# Altium PCB ArcadeTestHAT 05.PcbDoc (part 2 of 2) (continued)
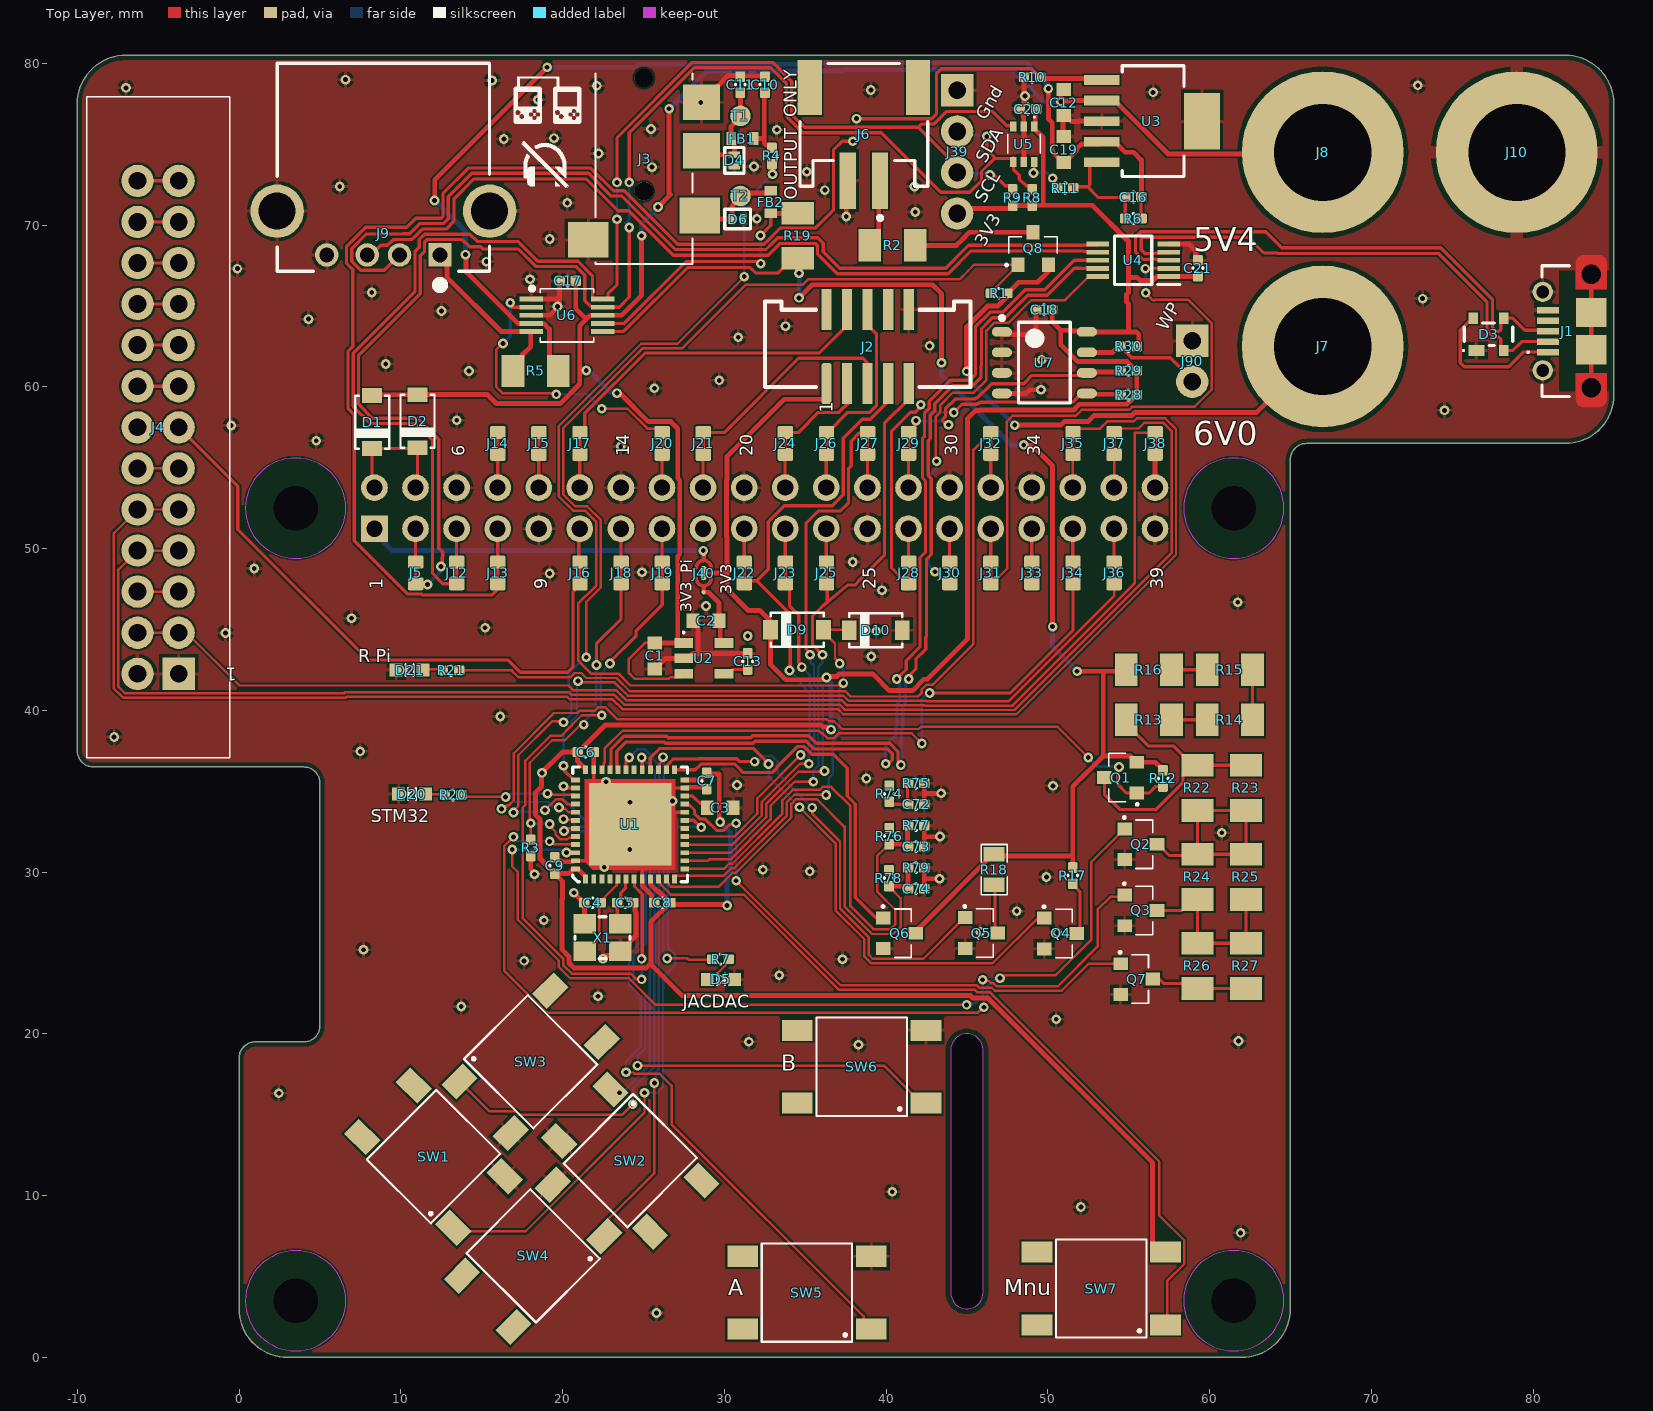
[diagram p0: Top Layer view]
## Nets (pads, with @x,y where several pads share a name; then routed paths per layer and width w, separated by ;. In a path a pad name is that pad's centre, name@x,y a point inside that pad or via, vN(x,y) a via of type N, cw(c..) or ccw(c..) an arc to the next point about the centre after c; other vN are vias at no path point) (continued)
  Top Layer w0.3: R76.2@40.228,31.721 41.188,31.721 41.275,31.634 C73.2@41.275,31.572 ; C73.2@41.326,31.598 41.326,32.849 R77.1@41.363,32.886
LPF_OUT3: C72.2 R74.2 R75.1 | length 2.5
  Top Layer w0.2: R74.2@40.335,34.366 40.335,34.258 40.403,34.19 C72.2@41.363,34.19 41.326,34.228 R75.1@41.326,35.535
MCU_BOOT0: J18.2 R3.1 U1.44 | length 22.2
  Top Layer w0.15: R3.1@18.034,32.004 v1(18.034,33.02) 17.973,33.081 17.973,36.761 19.366,38.154 20.145,38.154 21.311,39.319 v1(21.311,39.116) ; v1(19.202,32.969) 19.202,32.861 19.566,32.497 19.566,32.32 19.849,32.037 20.299,32.037 20.387,32.125 20.703,32.125 U1.44@20.828,32.25
  Top Layer w0.2: v1(22.098,42.799) 22.098,44.123 23.622,45.647 J18.2@23.622,47.498
  Bottom Layer w0.15: v1(18.034,33.02) 18.059,32.995 19.177,32.995 v1(19.202,32.969) ; v1(21.311,39.116) 21.311,39.29 21.361,39.341 22.098,40.077 v1(22.098,42.799)
MCU_LED: R20.1 U1.39 | length 7.4
  Top Layer w0.15: R20.1@13.64,34.773 13.741,34.671 16.459,34.671 v1(16.485,34.646) ; v1(19.075,34.849) 19.15,34.774 20.731,34.774 U1.39@20.805,34.7
  Bottom Layer w0.15: v1(16.485,34.646) 16.606,34.646 16.81,34.849 v1(19.075,34.849)
MCU_RESET: J19.2 U1.7 | length 40.9
  Top Layer w0.15: v1(22.428,39.7) 21.188,39.7 20.566,39.079 20.566,39.061 19.934,38.429 19.252,38.429 17.698,36.875 17.698,34.144 17.534,33.98 17.534,27.153 20.053,24.634 20.053,24.236 20.575,23.713 24.225,23.713 24.57,23.368 v1(24.892,23.368)
  Top Layer w0.2: v1(22.936,42.901) 22.936,43.002 24.549,44.615 24.549,44.923 26.162,46.536 J19.2@26.162,47.498 ; U1.7@24.43,29.575 24.449,29.556 24.449,29.111 24.934,28.626 24.934,24.68 v1(24.892,24.638)
  Bottom Layer w0.15: v1(22.428,39.7) 22.373,39.755 22.373,39.866 22.543,39.866 22.373,40.035 22.373,42.24 22.598,42.465 22.598,42.542 22.936,42.88 v1(22.936,42.901) ; v1(24.892,23.368) v1(24.892,24.638)
MCU_SWCLK: J36.2 U1.37 | length 43.6
  Top Layer w0.15: v1(20.955,41.808) 21.038,41.725 23.222,41.725 24.041,40.906 37.37,40.906 37.695,40.581 42.481,40.581 42.49,40.572 47.6,40.572 54.102,47.074 J36.2@54.102,47.498
  Top Layer w0.2: v1(20.066,36.576) 20.143,36.499 20.143,36.238 20.68,35.7 U1.37@20.805,35.7
  Bottom Layer w0.15: v1(20.066,36.576) 20.066,38.561 20.566,39.061 20.566,39.333 20.896,39.663 20.896,41.75 v1(20.955,41.808)
MCU_SWDIO: J34.2 U1.34 | length 38.5
  Top Layer w0.15: U1.34@22.43,36.325 22.43,36.45 22.555,36.575 22.555,36.745 22.606,36.796 22.606,37.635 23.711,38.741 27.41,38.741 27.424,38.726 31.63,38.726 31.644,38.741 35.85,38.741 36.017,38.573 36.082,38.573 36.369,38.286 36.783,38.286 37.07,38.573 41.589,38.573 v1(42.215,37.948)
  Top Layer w0.2: v1(42.697,41.072) 47.676,41.072 51.562,44.958 J34.2@51.562,47.498
  Bottom Layer w0.15: v1(42.215,37.948) 42.215,40.589 42.164,40.64 42.596,41.072 v1(42.697,41.072)
MCU_USB_N: U1.32 U4.8 | length 58.8
  Top Layer w0.2: U1.32@23.43,36.325 23.38,36.375 23.38,36.725 23.355,36.75 23.355,37.465 23.939,38.049 26.262,38.049 26.352,37.959 31.782,37.959 31.909,38.086 35.074,38.086 35.543,37.617 40.081,37.617 40.386,37.313 40.386,36.932 40.293,36.838 ; v1@40.792,42.068 41.25,42.525 41.25,43.078 42.1,43.929 42.1,49.44 42.44,49.78 42.44,54.186 42.254,54.371 42.254,56.821 42.384,56.951 42.384,58.387 42.669,58.672 42.669,59.108 43.975,60.413 45.179,60.413 45.527,60.761 45.527,63.715 46.436,64.624 47.227,64.624 48.614,66.011 49.823,66.011 51.635,67.823 U4.8@53.081,67.823
  Bottom Layer w0.2: v1(39.98,36.703) 39.98,37.862 40.437,38.319 40.458,38.299 40.595,38.436 40.595,38.956 40.662,39.023 40.683,39.044 40.683,40.401 40.846,40.565 40.846,41.647 40.64,41.853 v1@40.64,41.91
  other v1: 40.665,41.935
MCU_USB_P: U1.33 U4.9 | length 59.8
  Top Layer w0.2: U1.33@22.93,36.325 22.98,36.375 22.98,36.725 23.005,36.75 23.005,37.61 23.794,38.399 26.448,38.399 26.537,38.309 31.637,38.309 31.764,38.436 35.219,38.436 35.688,37.967 40.226,37.967 40.736,37.458 40.736,36.893 ; v1@41.3,42.012 41.37,42.012 41.537,42.179 41.537,42.249 41.853,42.564 41.853,43.187 42.45,43.784 42.45,44.52 42.503,44.572 42.503,49.347 42.79,49.635 42.79,54.331 42.604,54.516 42.604,56.676 42.734,56.806 42.734,58.242 43.019,58.527 43.019,58.963 44.119,60.063 45.349,60.063 45.877,60.591 45.877,61.287 45.903,61.313 45.903,63.089 45.903,63.595 46.581,64.274 47.372,64.274 48.759,65.661 49.968,65.661 51.646,67.339 52.065,67.339 52.081,67.323 U4.9@53.081,67.323 53.031,67.373 52.374,67.373
  Bottom Layer w0.2: v1(40.919,36.627) 40.919,38.208 40.945,38.234 40.945,38.811 41.012,38.878 41.033,38.857 41.033,40.256 41.196,40.42 v1@41.196,41.935
  other v1: 41.402,41.935
NetC2_2: C2.2 J40.1 U2.5 | length 4.7
  Top Layer w0.15: U2.5@29.984,44.165 29.984,44.314 30.028,44.3 30.444,44.165 U2.5@29.984,44.165
  Top Layer w0.3: J40.1@28.75,47.3 29.025,47.3 29.675,46.65 C2.2@29.675,45.975 ; U2.5@29.75,44.175 C2.2@29.75,45.925
NetC3_2: C3.2 U1.22 | length 1.6
  Top Layer w0.2: U1.22@27.555,34.7 28.05,34.7 28.5,34.25 C3.2@29,34.25
NetC4_2: C4.2 U1.5 X1.1 | length 4.5
  Top Layer w0.15: X1.1@21.883,25.5 22.278,25.895 22.278,28.033 C4.2@22.352,28.107 ; C4.2@22.527,28.332 22.602,28.332 22.602,28.444 23.355,29.197 23.355,29.5 U1.5@23.43,29.575
NetC5_2: C5.2 U1.6 X1.3 | length 3.2
  Top Layer w0.2: C5.2@23.279,28.25 C5.2@23.335,28.307 ; X1.3@23.496,26.75 23.384,26.862 C5.2@23.384,28.107 23.397,28.107 23.597,28.307 23.597,28.707 23.891,29 23.891,29.537 U1.6@23.93,29.575
NetC10_2: C10.2 FB1.1 R4.2 | length 4.8
  Top Layer w0.3: FB1.1@31.825,75.35 32.475,75.35 ; C10.2@32.5,78.275 32.475,78.25 32.475,75.35 ; C10.2@32.512,78.182 C10.2@32.512,78.232 ; R4.2@32.8,74.889 32.9,74.789 R4.2@32.9,74.7 ; R4.2@32.95,74.775 32.95,74.8 32.8,74.95 32.6,74.95 32.475,75.075 32.475,75.35
NetC11_2: C11.2 D4.1 FB1.2 J3.3 T1.1 | length 6.6
  Top Layer w0.3: J3.3@28.585,74.596 28.932,74.25 29.032,74.35 D4.1@30.625,74.35 30.625,75.05 30.4,75.275 FB1.2@30.4,75.35 ; FB1.2@30.375,75.3 FB1.2@30.375,75.425 ; FB1.2@30.425,75.35 30.425,76.1 T1.1@31.025,76.7 ; C11.2@30.988,78.232 C11.2@31,78.22 ; T1.1@31,76.75 30.994,76.756 30.994,78.144 C11.2@31.075,78.225
NetC13_2: C13.2 U2.4 | length 1.6
  Top Layer w0.2: U2.4@30,42.1 30.094,42.1 30.519,42.525 C13.2@31.449,42.525
NetC16_1: C16.1 R6.2 R11.1 U3.5 | length 7.4
  Top Layer w0.2: R11.1@51.579,72.288 51.656,72.365 52.476,72.365 ; U3.5@53.338,73.889 52.794,73.889 52.594,73.689 52.594,72.482 52.476,72.365 ; C16.1@54.559,71.933 54.588,71.933 C16.1@54.752,71.77 ; C16.1@54.788,71.733 C16.1@54.752,71.77 ; R6.2@54.796,70.409 54.792,70.412 54.792,71.636 C16.1@54.724,71.704 ; 52.476,72.365 53.137,71.704 C16.1@54.724,71.704 ; C16.1@54.724,71.704 54.724,71.742 C16.1@54.752,71.77
NetD1_1: D1.1 D2.1 J11.2 J11.4 | length 8
  Top Layer w0.2: J11.2@8.25,53.75 8.225,53.775 D1.1@8.225,56.187 10.937,56.187 D2.1@11,56.25 ; J11.4@11,53.5 11.035,53.535 D2.1@11.035,56.237
NetD5_2: D5.2 R7.2 | length 2.1
  Top Layer w0.15: D5.2@29.032,23.19 29.032,23.395 29.294,23.657 29.499,23.657 30.062,24.22 30.062,24.406 R7.2@30.269,24.613
NetD6_1: D6.1 FB2.2 J3.2 T2.1 | length 5.9
  Top Layer w0.3: J3.2@28.3,70.475 28.4,70.375 D6.1@30.475,70.375 30.475,71.175 31,71.7 T2.1@31,71.8 31.175,71.975 32.675,71.975 FB2.2@32.875,72.175
NetD20_2: D20.2 R20.2 | length 1
  Top Layer w0.15: D20.2@11.709,34.823 12.683,34.823 R20.2@12.733,34.773
NetD21_2: D21.2 R21.2 | length 1.6
  Top Layer w0.15: D21.2@11.201,42.545 12.53,42.545 R21.2@12.606,42.469
  Top Layer w0.2: D21.2@11.291,42.666 D21.2@11.405,42.552
NetJ4_15: J4.15 J4.16 | length 2.4
  Top Layer w0.2: J4.16@-6.096,60.122 -6.014,60.04 J4.15@-3.73,60.04
NetJ6_1: J6.1 R2.1 | length 5.8
  Top Layer w0.3: R2.1@39.116,68.529 39.552,68.965 39.552,73.544 J6.1@39.978,73.97
NetJ90_2: J90.2 R30.2 U7.7 | length 7.4
  Top Layer w0.2: R30.2@54.5,62.5 54.525,62.5 54.725,62.3 54.725,62.275 55.05,61.95 55.198,61.802 57.578,61.802 J90.2@58.928,60.452
  Top Layer w0.3: U7.7@52.416,62.132 54.004,62.132 54.222,62.35 54.325,62.35 54.356,62.381 R30.2@54.356,62.484
NetQ1_3: Q1.3 R13.2 R22.1 R23.1 | length 16.8
  Top Layer w0.2: Q1.3@53.504,35.841 53.504,34.821 54.45,33.875 56.7,33.875 ; R13.2@55.075,38.95 55.075,38.891 55.454,38.512 55.513,38.512 56.225,37.8 57.76,37.8 R22.1@58.954,36.606 ; 56.675,33.85 56.7,33.875 ; R22.1@59.3,36.55 R22.1@58.898,36.55 ; R23.1@62.154,36.606 R22.1@59.254,36.606 R22.1@58.954,36.606 ; 56.7,33.875 58.354,35.529 58.354,36.006 R22.1@58.898,36.55 ; R22.1@58.898,36.55 R22.1@58.954,36.606
NetQ2_3: Q2.3 R22.2 R23.2 R24.1 R25.1 | length 14.3
  Top Layer w0.2: Q2.3@56.754,31.722 56.804,31.722 57.501,31.025 59.2,31.025 R24.1@59.275,31.1 ; R24.1@59.254,31.106 61.904,31.106 R25.1@62.254,31.456 ; R24.1@59.254,31.206 R22.2@59.254,33.806 R23.2@62.254,33.806 ; R25.1@62.254,31.106 R25.1@62.254,31.456 ; R23.2@62.504,33.706 62.254,33.456 R25.1@62.254,31.456
NetQ3_3: Q3.3 R24.2 R25.2 R26.1 R27.1 | length 11.1
  Top Layer w0.2: Q3.3@56.754,27.634 58.282,27.634 59.023,28.375 R24.2@59.225,28.375 ; R24.2@59.254,28.306 59.254,25.706 59.354,25.606 R27.1@62.254,25.606 R25.2@62.254,28.306
NetQ4_3: Q4.3 R17.2 | length 3.2
  Top Layer w0.2: R17.2@51.562,29.21 51.595,29.21 51.745,29.06 51.745,29.027 51.989,28.783 Q4.3@51.989,26.207
NetQ5_3: Q5.3 R18.2 | length 3
  Top Layer w0.2: R18.2@46.736,28.956 46.736,26.434 46.936,26.234 Q5.3@47.096,26.234
NetQ7_3: Q7.3 R26.2 R27.2 | length 6.7
  Top Layer w0.2: Q7.3@56.7,23.385 56.9,23.385 57.171,23.114 R26.2@59.436,23.114 ; R26.2@58.354,22.206 58.854,22.706 R26.2@59.004,22.706 ; R26.2@59.254,22.806 62.154,22.806 R27.2@62.254,22.706
NetQ8_3: Q8.3 R2.2 | length 7.6
  Top Layer w0.3: R2.2@41.802,68.746 44.349,68.746 44.702,69.098 ; 44.7,69.1 45.155,69.555 Q8.3@49.098,69.555
NetR11_2: R11.2 U5.6 | length 3.4
  Top Layer w0.2: v1(49.124,73.228) 49.124,73.203 49.225,73.101 49.175,73.051 U5.6@49.175,74.116 ; v1(50.3,72.898) 50.377,72.821 50.377,72.488 50.369,72.488 50.569,72.288 R11.2@50.579,72.288
  Bottom Layer w0.15: v1(49.124,73.228) 49.962,73.228 50.292,72.898 v1(50.3,72.898)
NetR13_1: R13.1 R14.1 | length 2.1
  Top Layer w0.2: R13.1@57.654,39.412 R14.1@59.754,39.412
NetR14_2: R14.2 R15.2 | length 4.1
  Top Layer w0.2: R15.2@62.654,42.508 R14.2@62.654,39.412 62.654,38.692 R14.2@62.738,38.608 ; R15.2@62.654,42.858 R15.2@62.754,42.758
NetR15_1: R15.1 R16.1 | length 2.1
  Top Layer w0.2: R16.1@57.754,42.508 R15.1@59.854,42.508
PI_3V3: J11.1 J40.3 | length 21.1
  Top Layer w0.3: v2@28.825,49.85 v2@28.85,49.875
  Bottom Layer w0.3: J11.1@8.37,51.23 8.37,50.98 9.475,49.875 v2(28.7,49.875) v2@28.725,49.875
RPI_CE0: J2.6 J26.2 | length 10.7
  Top Layer w0.2: J26.2@36.32,57.175 36.395,57.175 37.64,58.42 38.99,58.42 39.405,58.835 39.405,63.275 38.862,63.817 J2.6@38.862,65.503
RPI_CE1: J27.2 U1.14 | length 34.7
  Top Layer w0.15: U1.14@27.555,30.7 28.984,30.7 29.073,30.789 30.377,30.789 32.865,33.277 32.865,34.104 34.347,35.585 v1(35.509,35.585)
  Top Layer w0.2: v1(35.306,43.434) 35.306,43.542 35.052,43.796 35.052,51.562 35.814,52.324 37.177,52.324 37.685,52.832 37.685,54.957 37.846,55.118 37.846,56.642 38.354,57.15
  Bottom Layer w0.15: 35.3,43.025 35.306,43.019 ; v1(35.306,43.434) 35.306,43.019 ; v1(35.509,35.585) 35.509,36.267 35.659,36.416 35.659,36.425 35.826,36.592 35.826,38.439 35.825,38.441 35.825,39.131 35.826,39.132 35.826,41.31 35.547,41.589 35.547,42.778 35.306,43.019
RPI_GPIO0: J11.27 J28.1 | length 2.3
  Top Layer w0.2: J11.27@41.39,51.23 41.39,49.11 41.4,49.1 J28.1@41.5,49
RPI_GPIO1: J11.28 J29.1 | length 2.2
  Top Layer w0.2: J29.1@41.075,55.825 41.075,55.69 41.39,55.375 J11.28@41.39,53.77
RPI_GPIO2: J5.1 J11.3 | length 2.3
  Top Layer w0.2: J11.3@10.91,51.23 10.91,49.09 10.92,49.08 J5.1@11,49
RPI_GPIO3: J11.5 J12.1 | length 2.3
  Top Layer w0.2: J11.5@13.45,51.23 13.45,49.05 13.46,49.04 J12.1@13.5,49
RPI_GPIO4: J11.7 J13.1 | length 2
  Top Layer w0.2: J11.7@15.99,51.23 15.99,49.26 J13.1@16,49.25
RPI_GPIO5: J11.29 J30.1 | length 2
  Top Layer w0.2: J11.29@43.93,51.23 43.93,49.32 J30.1@44,49.25
RPI_GPIO6: J11.31 J31.1 | length 2.2
  Top Layer w0.2: J11.31@46.47,51.23 46.47,49.03 46.48,49.02 J31.1@46.5,49
RPI_GPIO7: J11.26 J27.1 | length 2
  Top Layer w0.2: J27.1@38.75,55.75 38.85,55.65 J11.26@38.85,53.77
RPI_GPIO8: J11.24 J26.1 | length 2.2
  Top Layer w0.2: J26.1@35.995,55.825 35.995,55.69 36.31,55.375 J11.24@36.31,53.77
RPI_GPIO9: J11.21 J23.1 | length 2.2
  Top Layer w0.2: J23.1@33.75,49 33.77,49.02 J11.21@33.77,51.23
RPI_GPIO10: J11.19 J22.1 | length 2
  Top Layer w0.2: J11.19@31.23,51.23 31.23,49.27 J22.1@31.25,49.25
RPI_GPIO11: J11.23 J25.1 | length 2
  Top Layer w0.2: J25.1@36.25,49.25 36.31,49.31 J11.23@36.31,51.23
RPI_GPIO14: J11.8 J14.1 | length 2.4
  Top Layer w0.15: J14.1@15.7,55.825 J14.1@15.7,56 ; J11.8@15.99,53.77 J11.8@16,53.78
  Top Layer w0.2: J14.1@15.675,55.825 15.675,55.69 15.99,55.375 J11.8@15.99,53.77
RPI_GPIO15: J11.10 J15.1 | length 2.4
  Top Layer w0.2: J15.1@18.215,56 18.215,55.69 18.53,55.375 J11.10@18.53,53.77
RPI_GPIO16: J11.36 J35.1 | length 1.8
  Top Layer w0.15: J35.1@51.537,55.524 51.55,55.511 J11.36@51.55,53.77
RPI_GPIO17: J11.11 J16.1 | length 2
  Top Layer w0.2: J16.1@21,49.25 21,51.16 J11.11@21.07,51.23
RPI_GPIO18: J11.12 J17.1 | length 2.2
  Top Layer w0.2: J17.1@20.755,55.825 20.755,55.69 21.07,55.375 J11.12@21.07,53.77
RPI_GPIO19: J11.35 J34.1 | length 2
  Top Layer w0.2: J34.1@51.5,49.25 51.55,49.3 J11.35@51.55,51.23
RPI_GPIO20: J11.38 J37.1 | length 1.9
  Top Layer w0.15: J37.1@54.1,55.825 54.1,53.901 J11.38@54.102,53.899
RPI_GPIO21: J11.40 J38.1 | length 1.7
  Top Layer w0.3: J11.40@56.63,53.77 56.63,55.411 J38.1@56.693,55.474
RPI_GPIO22: J11.15 J19.1 | length 2
  Top Layer w0.2: J19.1@26,49.25 26.15,49.4 J11.15@26.15,51.23
RPI_GPIO23: J11.16 J20.1 | length 2.2
  Top Layer w0.2: J20.1@25.835,55.825 25.835,55.69 26.15,55.375 J11.16@26.15,53.77
RPI_GPIO24: J11.18 J21.1 | length 2.2
  Top Layer w0.2: J21.1@28.375,55.825 28.375,55.69 28.69,55.375 J11.18@28.69,53.77
RPI_GPIO25: J11.22 J24.1 | length 2.4
  Top Layer w0.2: J24.1@33.455,56 33.455,55.69 33.75,55.395 33.75,53.79 J11.22@33.77,53.77
RPI_GPIO26: J11.37 J36.1 | length 2.3
  Top Layer w0.2: J11.37@54.09,51.23 54.09,49.16 54.1,49.15 J36.1@54.25,49
RPI_GPIO27: J11.13 J18.1 | length 2.1
  Top Layer w0.2: J11.13@23.61,51.23 23.61,49.14 J18.1@23.62,49.13
RPI_ID_SC: J29.2 R29.2 U7.6 | length 16.2
  Top Layer w0.2: J29.2@41.4,57.175 41.475,57.175 41.775,57.475 41.775,57.72 41.859,57.804 v1(41.859,57.912) ; v1(43.866,57.658) 43.745,57.658 43.459,57.944 43.671,58.156 43.671,58.637 44.279,59.245 45.493,59.245 45.562,59.314 45.641,59.314 46.525,60.198 48.508,60.198 48.627,60.317 48.633,60.317 49.022,60.706 51.935,60.706 52.091,60.862 U7.6@52.416,60.862
  Top Layer w0.3: U7.6@52.416,60.862 52.474,60.919 R29.2@54.569,60.919
  Bottom Layer w0.15: v1(41.859,57.912) 41.885,57.912 41.923,57.874 43.421,57.874 43.637,57.658 v1(43.866,57.658)
RPI_ID_SD: J28.2 R28.2 U7.5 | length 25.9
  Top Layer w0.2: J28.2@41.402,47.498 41.294,47.498 41.267,47.525 41.121,47.525 41.073,47.573 41.073,48.077 40.34,48.81 40.34,57.261 41.516,58.437 41.819,58.437 42.068,58.686 42.068,58.813 v1(42.144,58.89) ; v1(44.196,58.42) 44.696,58.92 45.628,58.92 45.695,58.988 45.774,58.988 45.842,59.055 46.612,59.055 46.624,59.067 51.566,59.067 52.091,59.592 U7.5@52.416,59.592
  Top Layer w0.3: U7.5@52.416,59.592 52.462,59.546 54.325,59.546 54.356,59.515 R28.2@54.356,59.436
  Bottom Layer w0.15: v1(42.144,58.89) 42.614,58.42 v1(44.196,58.42)
RPI_LED: J32.2 R21.1 | length 47.7
  Top Layer w0.15: R21.1@13.64,42.52 13.691,42.469 16.851,42.469 17.27,42.05 20.49,42.05 20.748,42.308 21.162,42.308 21.47,42 23.336,42 24.155,41.181 37.484,41.181 37.809,40.856 41.986,40.856 42.197,41.067 42.197,41.279 42.49,41.572 42.864,41.572 45.405,44.113 45.405,56.1 46.105,56.8 46.105,56.875 46.405,57.175 J32.2@46.48,57.175
RPI_MISO: J23.2 U1.16 | length 21.8
  Top Layer w0.15: U1.16@27.555,31.7 30.51,31.7 32.315,33.505 32.315,34.332 34.686,36.703 v1(35.23,36.703)
  Top Layer w0.2: J23.2@34.036,47.498 34.036,46.445 34.598,45.883 34.598,42.98 34.798,42.78 v1(34.798,42.672)
  Bottom Layer w0.15: v1(34.798,42.672) 35.272,42.198 35.272,41.475 35.551,41.196 35.551,39.246 35.55,39.245 35.55,38.327 35.551,38.325 35.551,37.698 35.23,37.376 v1(35.23,36.703)
RPI_MOSI: J2.7 J22.2 U1.17 | length 41
  Top Layer w0.15: U1.17@27.59,32.2 30.622,32.2 32.04,33.619 32.04,34.555 v1(34.722,37.236) ; J2.7@39.973,60.357 40.069,60.452 J2.7@40.132,60.452
  Top Layer w0.2: J22.2@31.496,47.498 31.496,47.525 31.569,47.598 31.569,47.96 31.615,48.006 32.004,48.006 ; v1(34.036,42.469) 34.074,42.507 34.074,45.946 32.015,48.006 32.004,48.006 ; J2.7@40.132,60.198 40.132,59.103 39.033,58.004 38.542,58.004 37.36,56.821 37.36,53.335 36.674,52.649 33.704,52.649 32.72,51.665 32.72,48.722 32.004,48.006
  Bottom Layer w0.15: v1(34.036,42.469) 34.729,41.776 34.729,41.629 35.276,41.082 35.276,39.36 35.275,39.359 35.275,38.213 ; v1@34.874,37.389 34.874,37.41 35.276,37.812 35.276,38.212 35.275,38.213 ; 35.275,37.925 35.275,38.213
RPI_PWM0: J11.32 J32.1 | length 2.4
  Top Layer w0.2: J32.1@46.155,56 46.155,55.69 46.47,55.375 J11.32@46.47,53.77
RPI_PWM1: J11.33 J33.1 | length 1.7
  Top Layer w0.2: J33.1@49,49.5 49.01,49.51 J11.33@49.01,51.23
RPI_RXD: J15.2
RPI_SCL: J12.2 J39.3 R9.2 U5.3 U6.10 | length 89.6
  Top Layer w0.2: J12.2@13.46,47.825 12.6,47.825 11.96,48.465 11.96,56.697 10.919,57.738 8.106,57.738 7.065,58.778 7.065,62.083 10.874,65.892 10.874,68.346 11.149,68.621 11.149,69.109 11.471,69.431 14.277,69.431 14.717,68.991 17.249,68.991 17.457,68.782 18.469,67.771 20.956,67.771 21.85,66.877 21.85,65.475 21.9,65.425 U6.10@22.475,65.425 22.758,65.425 22.808,65.475 22.808,65.758 23.368,66.318 v1(23.368,70.358) ; v1(23.368,72.644) 23.368,75.406 28.019,80.057 32.996,80.057 34.177,78.876 34.177,76.835 34.964,76.048 41.986,76.048 ; J39.3@44.4,73.254 44.4,73.634 41.986,76.048 ; v1(46.431,73.101) 46.508,73.025 46.769,73.025 47.365,72.429 47.628,72.429 47.828,72.229 R9.2@47.828,72.204 ; U5.3@47.925,76.15 47.469,76.15 46.6,77.019 43.73,77.019 42.96,76.248 42.187,76.248 41.986,76.048
  Bottom Layer w0.15: v1(23.368,70.358) v1(23.368,72.644)
  Bottom Layer w0.2: J39.3@44.679,73.254 44.755,73.177 46.253,73.177 v1@46.33,73.101
RPI_SCLK: J2.9 J25.2 U1.15 | length 39.4
  Top Layer w0.15: U1.15@27.555,31.2 30.399,31.2 32.59,33.391 32.59,34.218 34.575,36.203 36.152,36.203 v1(36.195,36.246)
  Top Layer w0.2: v1(36.068,43.434) 35.456,44.046 35.456,45.819 36.119,46.482 36.364,46.686 ; J25.2@36.322,47.498 36.364,47.456 36.364,46.686 ; J2.9@41.402,60.198 41.402,59.245 39.9,57.744 39.9,49.6 38.306,48.006 38.1,47.752 37.643,47.752 37.463,47.602 36.364,46.686
  Bottom Layer w0.15: v1@36.05,36.4 36.101,36.451 36.101,38.601 36.1,38.603 36.1,39.017 36.101,39.018 36.101,41.423 35.822,41.703 35.822,42.672 36.068,42.918 ; v1(36.068,43.434) 36.068,42.918 ; 36.075,42.925 36.068,42.918 ; v1@36.109,36.4 36.109,36.241 v1@36.15,36.2
RPI_SDA: J5.2 J39.2 R8.2 U5.4 U6.9 | length 91.4
  Top Layer w0.2: J5.2@10.92,47.825 10.97,47.775 v1(11.65,47.775) ; v1(12.485,48.9) 12.562,48.977 12.562,49.485 12.6,49.523 12.6,49.775 12.35,50.025 12.35,56.766 11.054,58.063 8.241,58.063 7.39,58.913 7.39,61.949 11.199,65.758 11.199,68.106 11.474,68.381 11.474,68.974 11.606,69.106 13.811,69.106 14.251,68.666 14.934,68.666 15.075,68.525 17.255,68.525 18.334,67.446 20.821,67.446 21.37,66.897 21.37,65.337 21.732,64.975 22.425,64.975 U6.9@22.475,64.925 23.5,64.925 24.13,65.555 v1(24.13,69.85) ; v1(24.13,72.644) 24.13,75.709 28.153,79.732 32.861,79.732 33.852,78.741 33.852,76.7 34.843,75.709 39.711,75.709 43.392,72.029 45.186,72.029 45.904,72.746 45.904,73.316 46.704,74.116 47.875,74.116 47.875,74.166 47.826,74.117 46.787,74.117 46.228,74.676 v1(46.228,75.489) ; U5.4@47.875,74.069 47.875,73.463 48.244,73.094 48.244,72.847 48.662,72.429 48.847,72.429 49.047,72.229 R8.2@49.047,72.204
  Bottom Layer w0.15: 23.876,70.104 24.13,70.358 v1(24.13,72.644)
  Bottom Layer w0.2: v1(11.65,47.775) 12.408,48.534 12.408,48.917 v1@12.4,48.925 ; J39.2@44.679,75.794 44.907,75.565 46.151,75.565 v1(46.228,75.489)
RPI_TXD: J14.2
USB_N: D3.2 J1.2 U4.4 | length 32.1
  Top Layer w0.2: U4.4@57.481,68.323 57.431,68.273 56.657,68.273 56.632,68.248 56.056,68.248 56.032,68.224 55.778,68.478 55.778,69.13 55.896,69.247 62.389,69.247 63.361,68.275 64.186,68.275 ; 64.186,68.25 74.15,68.25 77.15,65.25 77.15,63.497 77.572,63.075 77.883,63.075 78,62.958 78,62.45 D3.2@78.2,62.25 ; D3.2@78.25,62.25 78.75,62.25 79.298,62.798 J1.2@80.927,62.798
USB_P: D3.3 J1.3 U4.3 | length 33.4
  Top Layer w0.2: U4.3@57.481,67.823 57.431,67.873 56.657,67.873 56.632,67.898 56.259,67.898 56.235,67.874 55.887,67.874 55.428,68.333 55.428,69.275 55.751,69.597 62.534,69.597 63.474,69.597 64.471,68.6 74.295,68.6 77.5,65.395 77.5,63.642 77.717,63.425 77.883,63.425 78,63.542 78,64.05 D3.3@78.2,64.25 ; D3.3@78.25,64.25 78.75,64.25 79.5,63.5 80.875,63.5 J1.3@80.927,63.448
USB_SEL: J31.2 U4.2 | length 35.9
  Top Layer w0.15: J31.2@46.787,47.787 46.787,48.057 47.495,48.765 47.495,54.195 47.455,54.234 47.455,57.84 47.835,58.22 51.744,58.22 52.099,58.575 53.96,58.575 55.04,58.575 55.24,58.775 59.086,58.775 60.131,59.82 60.131,63.94 58.691,65.38 56.617,65.38 56.603,65.366 56.478,65.366 56.058,65.786 v1(56.058,65.811) ; v1(56.032,67.31) 56.032,67.361 56.07,67.323 U4.2@57.481,67.323
  Bottom Layer w0.15: v1(56.032,67.31) 56.045,67.297 56.045,66.019 56.075,65.989 56.083,65.989 v1@56.083,65.837
pads on no net: J1.4 J2.2 J2.8 J3. J6.M1 J6.M2 J11.17 J33.2 SW1.3 SW1.4 SW2.3 SW2.4 SW3.3 SW3.4 SW4.3 SW4.4 SW5.3 SW5.4 SW6.3 SW6.4 SW7.3 SW7.4 U1.2 U1.3 U1.4 U1.18 U1.30
copper on no net:
  other v1: 31.45,44.6

## Polygon pours and split planes (outlines as drawn)
GND on Bottom Layer "Bottom Layer-GND" (solid, remove dead copper, pour order 2): -11.904,82.017 -11.919,-1.168 88.089,-1.168 88.089,82.017
GND on Top Layer "Top Layer-GND" (solid, remove dead copper, pour order 4): -11.735,80.647 -11.735,-3.072 90.731,-3.072 90.731,80.647

## Keep-outs
Keep-Out Layer:
  circle w0.001: c61.5,52.5 r3.1
  circle w0.001: c61.5,3.5 r3.1
  circle w0.001: c3.5,3.5 r3.1
  circle w0.001: c3.5,52.5 r3.1

## Silkscreen, mask and mechanical layers (free items; w line width, h text height)
Top Overlay:
  drawing of 5 lines, arcs and shapes, not listed
  text "ONLY" at 34.475,76.675 h0.8 r90
  text "Gnd" at 46.177,76.429 h0.8 r60
  text "SDA" at 46.152,73.762 h0.8 r60
  text "OUTPUT" at 34.525,71.575 h0.8 r90
  text "SCL" at 46.101,71.298 h0.8 r60
  text "3V3" at 46.101,68.605 h0.8 r60
  text "5V4" at 59,68.377 h1.5
  text "WP" at 57.353,63.398 h0.8 r60
  text "6V0" at 59,56.388 h1.5
  text "6" at 13.97,55.7 h0.8 r90
  text "14" at 24.13,55.7 h0.8 r90
  text "20" at 31.75,55.7 h0.8 r90
  text "30" at 44.45,55.7 h0.8 r90
  text "34" at 49.53,55.7 h0.8 r90
  text "Pi" at 28.025,48.475 h0.7 r90
  text "1" at 8.89,47.5 h0.8 r90
  text "9" at 19.05,47.5 h0.8 r90
  text "25" at 39.37,47.5 h0.8 r90
  text "39" at 57.15,47.5 h0.8 r90
  text "3V3" at 30.45,47.175 h0.7 r90
  text "3V3" at 28,46.075 h0.7 r90
  text "R Pi" at 7.375,42.975 h0.8
  text "STM32" at 8.15,33.075 h0.8
  text "JACDAC" at 27.425,21.625 h0.8
  text "B" at 33.517,17.369 h1.7
  text "A" at 30.257,3.485 h1.7
  text "Mnu" at 47.302,3.494 h1.7
Bottom Overlay:
  rectangle: 15.05,2.846 18.05,5.346
  region: 12,7.5 12,13.5 cw(c13,13.5) 13,14.5 40.977,14.5 cw(c40.977,13.5) 41.977,13.5 41.977,7.5 cw(c40.977,7.5) 40.977,6.5 13,6.5 cw(c13,7.5)
  lines w0.001: 12,7.5 ccw(c13,7.5) 13,6.5 ; 12,13.5 cw(c13,13.5) 13,14.5 ; 40.977,6.5 ccw(c40.977,7.5) 41.977,7.5 ; 40.977,14.5 cw(c40.977,13.5) 41.977,13.5
  text "OUTPUT ONLY" at 38.675,79.85 h0.8 r90
  text "'.ProjectCodeName' '.ProjectCodenameID'-'.ProjectRevision'" at 41.849,3.296 h2
Dimensions:
  lines w0.254: 0,53.5 cw(c3,53.5) 3,56.5 ; 62,56.5 cw(c62,53.5) 65,53.5
Mechanical 6:
  lines w1: -7,81 cw(c-7,80.5) -6.997,81 ; -7,81 cw(c-7,80.5) -6.997,81 ; -7,81 ccw(c-7,77.5) -10.5,77.5 -10.5,37.5 ccw(c-9,37.5) -9,36 4,36 cw(c4,35.5) 4.5,35.5 4.5,20.5 cw(c4,20.5) 4,20 1.002,20 ; -7,81 -6.997,81 ; -6.997,81 82,81 ; 1,20 cw(c1,19.5) 1.002,20 ; 1,20 cw(c1,19.5) 1.002,20 ; 1,20 ccw(c1,18.5) -0.5,18.5 -0.5,3 ccw(c3,3) 3,-0.5 62,-0.5 ccw(c62,3) 65.5,3 ; 1,20 1.002,20 ; 65.5,3 65.5,55.498 ; 65.5,3 65.5,3 ; 65.5,55.498 ccw(c65,55.5) 65.5,55.5 ; 65.5,55.498 ccw(c65,55.5) 65.5,55.5 ; 65.5,55.498 65.5,55.5 ; 65.5,55.5 cw(c66,55.5) 65.998,56 ; 65.998,56 ccw(c66,56.5) 66,56 ; 65.998,56 ccw(c66,56.5) 66,56 ; 65.998,56 cw(c66,55.5) 66,56 ; 66,56 82,56 ccw(c82,59.5) 85.5,59.5 85.5,77.498 ; 82,81 cw(c82,77.5) 85.5,77.5 ; 82,81 82,81 ; 85.5,77.498 ccw(c85,77.5) 85.5,77.5 ; 85.5,77.498 ccw(c85,77.5) 85.5,77.5 ; 85.5,77.498 85.5,77.5 ; 44.5,4 ccw(c45,4) 45.5,4 45.5,19 ccw(c45,19) 44.5,19 44.5,4
Board Outline:
  the board outline again, w0.254
Top Assy:
  lines w0.05: 47.339,73.232 49.047,72.669 ; 48.851,80.208 48.99,79.985 ; 48.996,80.518 48.99,79.981 49.165,80.17 ; 50.883,79.446 51.022,79.223 ; 51.035,80.518 51.022,79.219 51.197,79.408 51.197,79.416

## Dimensions
-7,80.5 to 3,0 on Dimensions
44,3.868 to 46,3.868 on Dimensions
-10,77.5 to 85,77.5 on Dimensions

## Text inside footprints (layer, text, board x,y; h text height)
J1: Alignment "Datasheet suggests not  / routing traces of vias under  / connector (see polygon cutout)" at 82.889,69.112 h0.5 r90; Alignment "PCB EDGE" at 84.502,69.248 h1 r90
J2: Top Overlay "1" at 36.71,58.413 h0.8 r90; Top Assy "1" at 36.71,58.413 h0.8 r90
J3: Alignment "PCB edge" at 23.535,80.596 h0.51
J4: Top Overlay "1" at -0.155,42.632 h0.8 r180; Top Assy "1" at -0.155,42.632 h0.8 r180
J9: Alignment "PCB Edge" at 7.026,80.371 h0.51
J11: Bottom Overlay "1" at 8.755,49.68 h0.8 r90; Bottom Assy "1" at 8.755,49.68 h0.8 r90